# Altium PCB LED_BUFFER_v1.EDIT.PcbDoc (part 2 of 2)
Units mm, origin at the board's own origin, x right, y up, seen from the top; angles counter-clockwise.
Board outline 280 x 45 mm, 2 copper layers (Top Layer, Bottom Layer); 70 components, 165 nets, 480 pads, 245 vias.
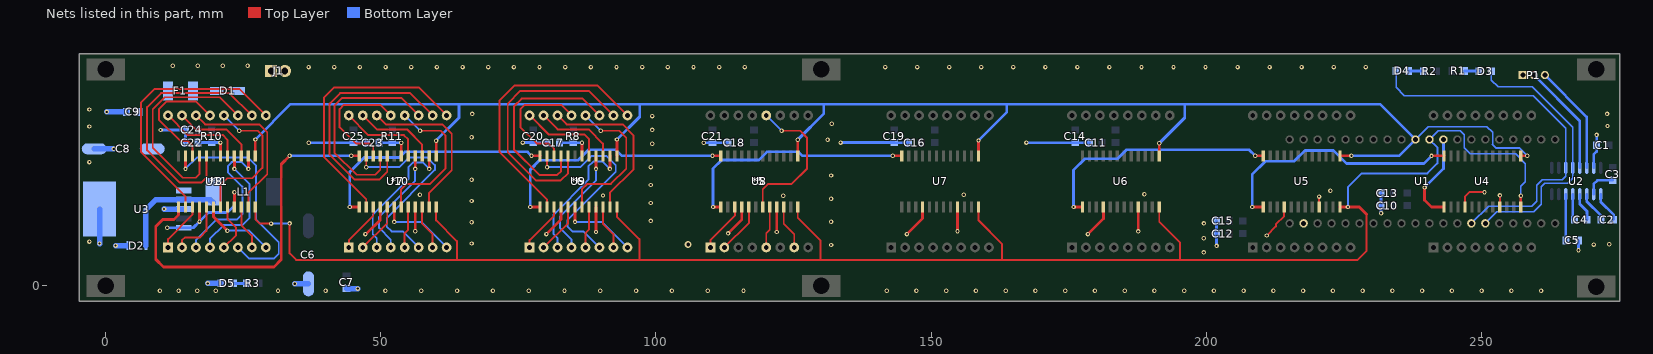
[diagram p2: the nets of this part, all layers, seen from the top]

## Via types
v1: diameter 0.8, hole 0.4, Top Layer to Bottom Layer, tented both sides, 244 vias
v2: diameter 1.27, hole 0.711, Top Layer to Bottom Layer, tented both sides, 1 vias

## Nets (pads, with @x,y where several pads share a name; then routed paths per layer and width w, separated by ;. In a path a pad name is that pad's centre, name@x,y a point inside that pad or via, vN(x,y) a via of type N, cw(c..) or ccw(c..) an arc to the next point about the centre after c; other vN are vias at no path point) (continued)
5_ROW4: *5.12 U8.7 | length 27.5
  Top Layer w0.35: U8.7@119.416,14.335 119.416,17.524 120.418,18.526 124.659,18.526 127.453,21.32 127.453,26.94 126.199,28.194 v1(122.842,28.194)
  Bottom Layer w0.35: *5.12@120.051,30.985 v1(122.842,28.194)
5_ROW5: *5.1 U8.3 | length 9.2
  Top Layer w0.35: *5.1@109.891,6.985 109.891,8.33 114.336,12.775 U8.3@114.336,14.335
5_ROW6: *5.7 U8.10 | length 8.1
  Top Layer w0.35: U8.10@123.226,14.335 123.226,11.323 125.131,9.418 *5.7@125.131,6.985
5_ROW7: *5.2 U8.5 | length 9.2
  Top Layer w0.35: *5.2@112.431,6.985 116.876,11.43 U8.5@116.876,14.335
5_ROW8: *5.5 U8.8 | length 7.6
  Top Layer w0.35: *5.5@120.051,6.985 120.051,9.6 120.686,10.235 U8.8@120.686,14.335
6_COL1: *6.13 U9.22 | length 22.7
  Top Layer w0.35: U9.22@81.479,23.635 81.479,24.888 80.462,25.905 78.303,25.905 75.382,28.826 75.382,32.128 76.144,32.89 82.749,32.89 *6.13@84.654,30.985
6_COL2: *6.3 U9.14 | length 24.8
  Top Layer w0.508: v1(91.639,21.259) U9.14@91.639,23.635
  Bottom Layer w0.35: *6.3@82.114,6.985 82.114,8.656 81.389,9.382 81.389,12.938 87.739,19.288 87.739,21.701 88.628,22.59 90.308,22.59 v1(91.639,21.259)
6_COL3: *6.4 U9.16 | length 20.2
  Top Layer w0.508: v1(89.099,21.259) U9.16@89.099,23.635
  Bottom Layer w0.35: *6.4@84.654,6.985 84.654,8.402 82.532,10.525 82.532,12.557 89.099,19.125 v1(89.099,21.259)
6_COL4: *6.10 U9.20 | length 47.7
  Top Layer w0.35: U9.20@84.019,23.635 84.019,20.485 82.695,19.161 78.156,19.161 73.06,24.257 73.06,33.147 75.343,35.43 87.829,35.43 *6.10@92.274,30.985
6_COL5: *6.6 U9.23 | length 38.3
  Top Layer w0.35: v1(80.209,21.574) U9.23@80.209,23.635
  Bottom Layer w0.35: v1(80.209,21.574) 86.247,21.574 88.279,23.606 91.041,23.606 92.692,21.955 92.692,20.749 83.929,11.986 83.929,10.779 84.818,9.89 86.829,9.89 *6.6@89.734,6.985
6_COL6: *6.11 U9.21 | length 38.7
  Top Layer w0.35: U9.21@82.749,23.635 82.749,20.866 82.06,20.177 78.791,20.177 74.203,24.765 74.203,32.636 75.603,34.036 86.683,34.036 *6.11@89.734,30.985
6_COL7: *6.15 U9.15 | length 15.1
  Top Layer w0.35: *6.15@79.574,30.985 82.123,28.436 87.775,28.436 90.369,25.842 U9.15@90.369,23.635
6_COL8: *6.16 U9.17 | length 15.7
  Top Layer w0.35: *6.16@77.034,30.985 80.472,27.547 87.013,27.547 87.829,26.731 U9.17@87.829,23.635
6_DOUT: U9.24 U10.1 | length 44.5
  Top Layer w0.508: v1(44.341,14.335) U10.1@46.083,14.335 ; v1(77.39,23.635) U9.24@78.939,23.635
  Bottom Layer w0.508: v1(44.341,14.335) 44.341,20.701 46.992,23.352 53.354,23.352 54.37,24.368 76.657,24.368 v1(77.39,23.635)
6_ISET: C17.2 R8.2 U9.18 | length 6.4
  Top Layer w0.508: U9.18@86.559,23.635 v1(86.559,26.016)
  Bottom Layer w0.508: C17.2@82.502,26.023 R8.2@84.959,26.023 86.552,26.023 v1(86.559,26.016)
6_ROW1: *6.9 U9.2 | length 49.6
  Top Layer w0.35: U9.2@80.209,14.335 80.209,15.685 71.536,24.359 71.536,33.655 74.33,36.449 89.35,36.449 *6.9@94.814,30.985
6_ROW2: *6.14 U9.11 | length 30.1
  Top Layer w0.35: *6.14@82.114,30.985 83.765,29.334 93.944,29.334 95.903,27.375 95.903,21.153 91.639,16.889 U9.11@91.639,14.335
6_ROW3: *6.8 U9.6 | length 14.2
  Top Layer w0.508: v1(85.289,11.632) U9.6@85.289,14.335
  Bottom Layer w0.35: v1(85.289,11.632) 90.168,11.632 *6.8@94.814,6.985
6_ROW4: *6.12 U9.7 | length 27.5
  Top Layer w0.35: U9.7@86.559,14.335 86.559,17.524 87.561,18.526 91.803,18.526 94.597,21.32 94.597,26.903 93.306,28.194 v1(89.985,28.194)
  Bottom Layer w0.35: *6.12@87.194,30.985 v1(89.985,28.194)
6_ROW5: *6.1 U9.3 | length 9.2
  Top Layer w0.35: *6.1@77.034,6.985 77.034,8.33 81.479,12.775 U9.3@81.479,14.335
6_ROW6: *6.7 U9.10 | length 8.1
  Top Layer w0.35: U9.10@90.369,14.335 90.369,11.323 92.274,9.418 *6.7@92.274,6.985
6_ROW7: *6.2 U9.5 | length 9.2
  Top Layer w0.35: *6.2@79.574,6.985 84.019,11.43 U9.5@84.019,14.335
6_ROW8: *6.5 U9.8 | length 7.6
  Top Layer w0.35: *6.5@87.194,6.985 87.194,9.6 87.829,10.235 U9.8@87.829,14.335
7_COL1: *7.13 U10.22 | length 22.9
  Top Layer w0.35: U10.22@48.623,23.635 48.623,25.293 48.011,25.905 45.447,25.905 42.526,28.826 42.526,32.128 43.288,32.89 49.893,32.89 *7.13@51.798,30.985
7_COL2: *7.3 U10.14 | length 24.6
  Top Layer w0.508: v1(58.783,21.259) U10.14@58.783,23.635
  Bottom Layer w0.35: *7.3@49.258,6.985 49.258,8.656 48.532,9.382 48.532,12.938 55.009,19.415 55.009,21.574 55.898,22.463 57.578,22.463 v1(58.783,21.259)
7_COL3: *7.4 U10.16 | length 20.2
  Top Layer w0.508: v1(56.243,21.259) U10.16@56.243,23.635
  Bottom Layer w0.35: *7.4@51.798,6.985 51.798,8.402 49.675,10.525 49.675,12.557 56.243,19.125 v1(56.243,21.259)
7_COL4: *7.10 U10.20 | length 46.4
  Top Layer w0.35: U10.20@51.163,23.635 51.163,20.746 49.733,19.316 45.218,19.316 40.675,23.859 40.675,33.147 42.58,35.052 55.351,35.052 *7.10@59.418,30.985
7_COL5: *7.6 U10.23 | length 38
  Top Layer w0.35: v1(47.353,21.574) U10.23@47.353,23.635
  Bottom Layer w0.35: v1(47.353,21.574) 53.354,21.574 55.132,23.352 58.438,23.352 59.835,21.955 59.835,21.066 51.072,12.303 51.072,10.779 51.961,9.89 53.973,9.89 *7.6@56.878,6.985
7_COL6: *7.11 U10.21 | length 38.6
  Top Layer w0.35: U10.21@49.893,23.635 49.893,21.127 48.971,20.205 45.583,20.205 41.564,24.224 41.564,32.766 42.961,34.163 53.7,34.163 *7.11@56.878,30.985
7_COL7: *7.15 U10.15 | length 15
  Top Layer w0.35: *7.15@46.718,30.985 49.271,28.432 54.755,28.432 57.513,25.674 U10.15@57.513,23.635
7_COL8: *7.16 U10.17 | length 15.6
  Top Layer w0.35: *7.16@44.178,30.985 47.747,27.416 54.198,27.416 54.973,26.641 U10.17@54.973,23.635
7_ISET: C23.2 R11.2 U10.18 | length 6.5
  Top Layer w0.508: U10.18@53.703,23.635 v1(53.703,26.016)
  Bottom Layer w0.508: C23.2@49.629,26.016 49.636,26.023 51.961,26.023 51.968,26.016 v1(53.703,26.016)
7_ROW1: *7.9 U10.2 | length 48.2
  Top Layer w0.35: U10.2@47.353,14.335 47.353,15.785 39.659,23.479 39.659,34.163 41.564,36.068 56.875,36.068 *7.9@61.958,30.985
7_ROW2: *7.14 U10.11 | length 30
  Top Layer w0.35: *7.14@49.258,30.985 50.909,29.334 61.178,29.334 62.883,27.629 62.883,20.989 58.783,16.889 U10.11@58.783,14.335
7_ROW3: *7.8 U10.6 | length 14.2
  Top Layer w0.508: v1(52.433,11.632) U10.6@52.433,14.335
  Bottom Layer w0.35: v1(52.433,11.632) 57.311,11.632 *7.8@61.958,6.985
7_ROW4: *7.12 U10.7 | length 27.7
  Top Layer w0.35: U10.7@53.703,14.335 53.703,17.524 54.705,18.526 58.946,18.526 61.74,21.32 61.74,27.347 60.893,28.194 v1(57.129,28.194)
  Bottom Layer w0.35: *7.12@54.338,30.985 v1(57.129,28.194)
7_ROW5: *7.1 U10.3 | length 9.2
  Top Layer w0.35: *7.1@44.178,6.985 44.178,8.33 48.623,12.775 U10.3@48.623,14.335
7_ROW6: *7.7 U10.10 | length 8.1
  Top Layer w0.35: U10.10@57.513,14.335 57.513,11.323 59.418,9.418 *7.7@59.418,6.985
7_ROW7: *7.2 U10.5 | length 9.2
  Top Layer w0.35: *7.2@46.718,6.985 51.163,11.43 U10.5@51.163,14.335
7_ROW8: *7.5 U10.8 | length 7.6
  Top Layer w0.35: *7.5@54.338,6.985 54.338,9.6 54.973,10.235 U10.8@54.973,14.335
8_COL1: *8.13 U11.22 | length 22.7
  Top Layer w0.35: U11.22@15.766,23.635 15.766,25.538 15.002,26.302 13.606,26.302 9.669,30.239 9.669,32.128 11.069,33.528 16.398,33.528 *8.13@18.941,30.985
8_COL2: *8.3 U11.14 | length 28.5
  Top Layer w0.508: v1(25.926,21.259) U11.14@25.926,23.635
  Bottom Layer w0.35: *8.3@16.401,6.985 16.401,8.336 20.142,12.077 23.893,12.077 24.841,13.025 24.841,18.046 22.205,20.682 22.205,21.789 22.895,22.479 24.706,22.479 v1(25.926,21.259)
8_COL3: *8.4 U11.16 | length 22.8
  Top Layer w0.508: v1(23.386,21.259) U11.16@23.386,23.635
  Bottom Layer w0.35: *8.4@18.941,6.985 18.941,8.59 21.412,11.061 24.841,11.061 26.111,12.331 26.111,18.534 v1(23.386,21.259)
8_COL4: *8.10 U11.20 | length 47.2
  Top Layer w0.35: U11.20@18.306,23.635 18.306,19.668 17.434,18.796 13.37,18.796 7.528,24.638 7.528,32.512 10.068,35.052 22.494,35.052 *8.10@26.561,30.985
8_COL5: *8.6 U11.23 | length 43
  Top Layer w0.508: v1(14.496,21.259) U11.23@14.496,23.635
  Bottom Layer w0.35: v1(14.496,21.259) 16.605,23.368 25.816,23.368 27.34,21.844 27.34,11.999 31.445,7.894 31.445,5.854 30.556,4.965 26.041,4.965 *8.6@24.021,6.985
8_COL6: *8.11 U11.21 | length 39.1
  Top Layer w0.35: U11.21@17.036,23.635 17.036,20.303 16.393,19.66 14.013,19.66 8.544,25.129 8.544,32.131 10.703,34.29 20.716,34.29 *8.11@24.021,30.985
8_COL7: *8.15 U11.15 | length 15.1
  Top Layer w0.35: *8.15@13.861,30.985 16.385,28.461 21.919,28.461 24.656,25.724 U11.15@24.656,23.635
8_COL8: *8.16 U11.17 | length 15.5
  Top Layer w0.35: *8.16@11.321,30.985 14.861,27.445 21.226,27.445 22.116,26.555 U11.17@22.116,23.635
8_ISET: C22.2 R10.2 U11.18 | length 6.5
  Top Layer w0.508: U11.18@20.846,23.635 v1(20.846,26.047)
  Bottom Layer w0.508: C22.2@16.796,26.047 16.803,26.054 R10.2@19.246,26.054 19.253,26.047 v1(20.846,26.047)
8_ROW1: *8.9 U11.2 | length 48.1
  Top Layer w0.35: U11.2@14.496,14.335 14.496,16.273 6.385,24.384 6.385,33.274 8.925,35.814 24.272,35.814 *8.9@29.101,30.985
8_ROW2: *8.14 U11.11 | length 29.2
  Top Layer w0.35: *8.14@16.401,30.985 18.052,29.334 27.904,29.334 29.354,27.884 29.354,20.317 25.926,16.889 U11.11@25.926,14.335
8_ROW3: *8.8 U11.6 | length 13.6
  Top Layer w0.508: U11.6@19.576,14.335 19.576,12.573 v1(22.116,10.033)
  Bottom Layer w0.35: v1(22.116,10.033) 26.053,10.033 *8.8@29.101,6.985
8_ROW4: *8.12 U11.7 | length 27.4
  Top Layer w0.35: U11.7@20.846,14.335 20.846,18.369 22.047,19.57 26.59,19.57 28.483,21.463 28.483,27.358 27.647,28.194 v1(24.272,28.194)
  Bottom Layer w0.35: *8.12@21.481,30.985 v1(24.272,28.194)
8_ROW5: *8.1 U11.3 | length 9.2
  Top Layer w0.35: *8.1@11.321,6.985 11.321,8.51 15.766,12.955 U11.3@15.766,14.335
8_ROW6: *8.7 U11.10 | length 8.1
  Top Layer w0.35: U11.10@24.656,14.335 24.656,11.045 26.561,9.14 *8.7@26.561,6.985
8_ROW7: *8.2 U11.5 | length 10.8
  Top Layer w0.35: *8.2@13.861,6.985 13.861,8.255 14.427,8.821 17.14,8.821 18.306,9.987 U11.5@18.306,14.335
8_ROW8: *8.5 U11.8 | length 8.9
  Top Layer w0.35: *8.5@21.481,6.985 23.64,9.144 23.64,10.652 22.116,12.176 U11.8@22.116,14.335
24V: C8.1 C9.1 F1.1 U3.1
CLK: U1.10 U4.13 U5.13 U6.13 U7.13 U8.13 U9.13 U10.13 U11.13 | length 316.4
  Top Layer w0.5: U11.13@27.196,23.635 v1(27.196,26.613) ; U10.13@60.053,23.635 v1(60.053,26.395) ; U9.13@92.909,23.635 v1(92.909,26.605) ; U8.13@125.766,23.635 v1(125.766,26.559) ; U7.13@158.622,23.635 v1(158.622,26.428) ; U6.13@191.479,23.635 v1@191.479,25.772 ; U5.13@224.335,23.635 v1(226.39,23.635) ; U4.13@257.192,23.635 v1(258.352,23.635)
  Bottom Layer w0.254: U1.10@238.033,26.605 240.396,28.968 251.028,28.968 252.044,27.952 252.044,25.666
  Bottom Layer w0.35: 252.044,25.666 252.679,25.031 256.956,25.031 v1(258.352,23.635)
  Bottom Layer w0.5: v1(27.196,26.613) 33.615,33.032 64.211,33.032 ; v1(60.053,26.395) 64.211,30.554 64.211,33.032 ; v1(92.909,26.605) 97.05,30.746 97.05,33.032 ; v1(125.766,26.559) 130.52,31.313 130.52,33.032 ; v1(158.622,26.428) 163.779,31.585 163.779,33.032 ; v1(191.465,25.92) 196.101,30.556 196.101,33.032 ; v1(226.39,23.635) 235.063,23.635 U1.10@238.033,26.605 231.606,33.032 196.101,33.032 ; 64.211,33.032 97.05,33.032 ; 97.05,33.032 130.52,33.032 ; 130.52,33.032 163.779,33.032 ; 163.779,33.032 196.101,33.032
CS: U1.11 U4.12 U5.12 U6.12 U7.12 U8.12 U9.12 U10.12 U11.12 | length 336.3
  Top Layer w0.35: U11.12@27.196,14.335 27.196,12.147 28.028,11.315 v1(30.048,11.315) ; v1(33.419,11.365) 33.419,5.912 34.62,4.711 63.83,4.711 ; U10.12@60.053,14.335 60.053,11.917 63.83,8.14 63.83,4.711 ; U9.12@92.909,14.335 92.909,12.589 96.977,8.521 96.977,4.711 ; U8.12@125.766,14.335 125.766,12.371 129.87,8.267 129.87,4.711 ; U7.12@158.622,14.335 158.622,11.9 162.89,7.632 162.89,4.711 ; U6.12@191.479,14.335 191.479,11.67 195.275,7.874 195.275,4.711 ; 229.126,13.024 229.126,6.304 227.533,4.711 195.275,4.711 ; 63.83,4.711 96.977,4.711 ; 96.977,4.711 129.87,4.711 ; 129.87,4.711 162.89,4.711 ; 162.89,4.711 195.275,4.711
  Top Layer w0.5: U5.12@224.335,14.335 v1(225.755,14.335) 227.815,14.335 229.126,13.024
  Top Layer w0.508: U4.12@257.192,14.335 v1(257.192,16.395)
  Bottom Layer w0.254: U1.11@240.573,26.605 242.162,28.194 246.214,28.194 246.906,27.502 246.906,25.122 248.013,24.015 256.235,24.015 258.013,22.237 258.013,18.935 257.192,18.114 v1(257.192,16.395)
  Bottom Layer w0.35: v1(30.048,11.315) 33.369,11.315 v1(33.419,11.365) ; v1(225.755,14.335) 225.755,17.919 228.295,20.459 240.198,20.459 242.011,22.273 242.011,25.167 U1.11@240.573,26.605
DATA: U1.12 U4.1 | length 16.5
  Top Layer w0.5: v1(239.702,17.891) 239.702,15.587 240.954,14.335 U4.1@243.222,14.335
  Bottom Layer w0.5: v1(239.702,17.891) 243.113,21.302 U1.12@243.113,26.605
GND: C1.1 C5.1 C6.2 C7.2 C8.2 C9.2 C10.1 C11.1 C12.1 C13.2 C14.2 C15.2 C16.1 C17.1 C18.1 C19.2 C20.2 C21.2 C22.1 C23.1 C24.2 C25.2 D2.1 D5.2 J1.1 P1.1 U1.22 U2.15 U3.3 U3.5 U4.4 U4.9 U5.4 U5.9 U6.4 U6.9 U7.4 U7.9 U8.4 U8.9 U9.4 U9.9 U10.4 U10.9 U11.4 U11.9 | length 182.9
  Top Layer w0.35: v1(211,9.156) 212.674,10.83 212.674,11.188 214.175,12.689 U5.4@214.175,14.335 ; U5.9@220.525,14.335 v1(220.525,16.223) ; U4.4@247.032,14.335 247.032,16.209 247.853,17.03 v1(250.585,17.03) ; U4.9@253.382,14.335 v1(253.382,16.454)
  Top Layer w0.5: v1(47.193,9.41) 47.32,9.41 49.893,11.983 U10.4@49.893,14.335 ; v1(56.243,9.918) U10.9@56.243,14.335 ; v1(80.086,9.41) 82.749,12.073 U9.4@82.749,14.335 ; U9.9@89.099,14.335 89.099,9.795 v1(89.103,9.791) ; v1(113.106,9.537) 115.606,12.037 U8.4@115.606,14.335 ; v1(121.956,9.791) U8.9@121.956,14.335 ; v1(145.618,9.41) 148.462,12.254 U7.4@148.462,14.335 ; v1(154.812,9.918) U7.9@154.812,14.335 ; v1(178.511,9.41) 181.319,12.218 U6.4@181.319,14.335 ; v1(187.669,9.904) U6.9@187.669,14.335
  Top Layer w0.508: v1@16.915,11.569 v1(17.036,11.69) U11.4@17.036,14.335 ; U11.9@23.386,14.335 v1(23.386,17.03)
  Bottom Layer w0.5: v1(9.982,28.333) 9.989,28.34 C24.2@14.503,28.34 14.51,28.333 C22.1@14.51,26.047 ; v1(75.783,26.047) C20.2@77.673,26.047 77.697,26.023 C17.1@80.216,26.023 ; v1(108.677,26.032) C21.2@110.283,26.032 110.292,26.023 C18.1@113.073,26.023 ; v1(133.553,26.047) C19.2@143.332,26.047 143.356,26.023 C16.1@145.929,26.023 ; v1(167.335,26.047) 167.35,26.032 C14.2@176.225,26.032 176.234,26.023 C11.1@178.786,26.023 ; v1(201.9,7.272) C12.1@201.9,9.509 C15.2@201.9,11.795 ; v1(231.784,13.22) C10.1@231.784,14.589 C13.2@231.784,16.875 ; v1(267.665,6.489) C5.1@267.665,8.267 ; U2.15@270.427,21.463 270.427,23.856 270.967,24.396 C1.1@270.967,25.539 v1(270.967,27.444)
  Bottom Layer w0.508: v1(11.167,10.567) U3.5@14.188,10.567 15.913,10.567 v1(17.036,11.69) 18.693,13.347 22.133,13.347 23.386,14.6 v1(23.386,17.03) ; v1(36.915,26.032) C25.2@45.034,26.032 45.05,26.016 C23.1@47.385,26.016 C23.1@47.36,26.041
  Bottom Layer w1: C8.2@-2.083,24.904 v1(1.473,24.904) ; v1(-1.126,7.7) U3.3@-1.126,13.967 ; v1(0.203,31.62) C9.2@3.759,31.62 ; v1(1.79,7.315) D2.1@4.013,7.315 ; v1(10.617,13.982) 10.632,13.967 U3.3@14.188,13.967 ; v1(18.553,0.455) D5.2@20.914,0.455 ; v1(34.366,0.393) 34.378,0.381 C6.2@36.847,0.381 ; C7.2@43.764,-0.496 v1(45.796,-0.496)
  other v1: 9.855,-0.877 13.242,-0.877 16.628,-0.877 20.015,-0.877 31.318,-0.877 39.954,-0.877 50.839,-0.877 57.346,-0.877 63.852,-0.877 70.359,-0.877 76.866,-0.877 83.373,-0.877 89.88,-0.877 96.387,-0.877 102.894,-0.877 109.401,-0.877 115.907,-0.877 141.935,-0.877 147.341,-0.877 152.748,-0.877 158.154,-0.877 163.56,-0.877 168.967,-0.877 174.373,-0.877 179.78,-0.877 185.186,-0.877 190.592,-0.877 195.999,-0.877 201.405,-0.877 206.811,-0.877 212.218,-0.877 217.624,-0.877 223.03,-0.877 228.437,-0.877 233.843,-0.877 239.249,-0.877 244.656,-0.877 250.062,-0.877 255.468,-0.877 260.875,-0.877 199.565,6.096 131.826,7.43 270.427,7.505 273.253,7.569 66.497,7.7 -2.972,8.049 199.565,8.674 199.593,11.365 66.497,11.562 131.826,11.642 99.06,11.811 99.06,15.072 66.497,15.425 131.826,15.854 123.139,16.395 90.373,16.432 57.099,16.576 155.945,16.576 188.783,16.649 222.571,17.284 99.06,18.333 66.497,19.287 131.826,20.066 99.06,21.594 -2.972,22.491 99.314,25.849 131.191,26.559 66.497,27.012 99.314,28.355 -2.972,28.968 272.937,29.059 131.953,29.464 99.314,30.861 66.624,31.254 272.872,31.254 -2.972,32.067 36.871,39.763 41.534,39.763 46.198,39.763 50.862,39.763 55.526,39.763 60.189,39.763 64.853,39.763 69.517,39.763 74.18,39.763 78.844,39.763 83.508,39.763 88.172,39.763 92.835,39.763 97.499,39.763 102.163,39.763 106.827,39.763 111.49,39.763 116.154,39.763 141.665,39.763 147.487,39.763 153.309,39.763 159.131,39.763 164.953,39.763 170.775,39.763 176.597,39.763 182.419,39.763 188.241,39.763 194.063,39.763 199.885,39.763 205.707,39.763 211.529,39.763 217.351,39.763 223.173,39.763 228.995,39.763 12.192,40.005 16.722,40.005 21.251,40.005 25.781,40.005
  other v2: 105.867,7.505
NetC2_1: C2.1 U2.3 | length 5.7
  Bottom Layer w0.508: U2.3@269.157,16.663 269.157,15.379 271.729,12.807 C2.1@271.729,12.049
NetC2_2: C2.2 U2.1 | length 5.6
  Bottom Layer w0.508: U2.1@271.697,16.663 271.697,15.284 274.015,12.966 C2.2@274.015,12.049
NetC3_2: C3.2 U2.2 | length 5.6
  Bottom Layer w0.5: U2.2@270.427,16.663 270.427,18.522 271.094,19.189 C3.2@273.888,19.189
NetC4_1: C4.1 U2.4 | length 5.2
  Bottom Layer w0.508: U2.4@267.887,16.663 267.887,14.871 269.189,13.569 C4.1@269.189,12.049
NetC4_2: C4.2 U2.5 | length 4.7
  Bottom Layer w0.5: U2.5@266.617,16.663 266.617,12.335 C4.2@266.903,12.049
NetC5_2: C5.2 U2.6 | length 8.4
  Bottom Layer w0.5: U2.6@265.347,16.663 265.347,8.299 C5.2@265.379,8.267
NetD1_1: D1.1 J1.2
NetD1_2: D1.2 F1.2
NetD2_2: D2.2 L1.1 U3.2 | length 19.8
  Bottom Layer w1: D2.2@7.315,7.315 7.315,13.855 9.127,15.667 U3.2@14.188,15.667 18.989,15.667 19.497,15.159 L1.1@19.575,15.237
NetD3_1: D3.1 R1.1 | length 2.6
  Bottom Layer w0.508: R1.1@246.948,39.056 249.541,39.056 D3.1@249.566,39.031
NetD4_1: D4.1 R2.1 | length 2.8
  Bottom Layer w0.254: R2.1@239.506,39.056 R2.1@239.532,39.031
  Bottom Layer w0.5: D4.1@236.787,39.056 R2.1@239.506,39.056
NetD5_1: D5.1 R3.1 | length 2.4
  Bottom Layer w0.5: D5.1@23.2,0.455 R3.1@25.603,0.455
NetU4_24: U4.24 U5.1 | length 46.1
  Top Layer w0.5: v1(208.365,14.335) U5.1@210.365,14.335 ; v1(240.954,23.634) U4.24@243.222,23.635 U4.24@243.222,23.635
  Bottom Layer w0.5: v1(208.365,14.335) 208.365,20.244 210.775,22.654 215.982,22.654 217.95,24.622 223.116,24.622 225.501,22.237 239.557,22.237 v1(240.954,23.634)
NetU5_24: U5.24 U6.1 | length 44.8
  Top Layer w0.508: v1(175.913,14.335) U6.1@177.509,14.335 ; v1(208.933,23.635) U5.24@210.365,23.635
  Bottom Layer w0.508: v1(175.913,14.335) 175.913,21.066 177.949,23.102 183.866,23.102 185.517,24.753 207.815,24.753 v1(208.933,23.635)
NetU7_24: U7.24 U8.1 | length 44.2
  Top Layer w0.508: v1(110.381,14.335) U8.1@111.796,14.335 ; v1(143.02,23.635) U7.24@144.652,23.635
  Bottom Layer w0.508: v1(110.381,14.335) 110.381,21.32 111.959,22.898 118.714,22.898 120.18,24.365 125.933,24.365 126.663,23.635 v1(143.02,23.635)
NetU8_24: U8.24 U9.1 | length 45.2
  Top Layer w0.508: v1(77.145,14.335) U9.1@78.939,14.335 ; v1(110.283,23.635) U8.24@111.796,23.635
  Bottom Layer w0.508: v1(77.145,14.335) 77.145,21.104 78.889,22.848 85.87,22.848 87.775,24.753 92.683,24.753 93.801,23.635 v1(110.283,23.635)
NetU10_24: U10.24 U11.1 | length 68.5
  Top Layer w0.508: U11.1@13.226,14.335 13.226,12.908 12.395,12.077 10.363,12.077 9.093,10.807 9.093,4.838 10.49,3.441 30.556,3.441 31.895,4.78 31.895,22.111 v1(33.419,23.635) ; v1(44.624,23.635) U10.24@46.083,23.635
  Bottom Layer w0.508: v1(33.419,23.635) v1(44.624,23.635)
RS232_RXD: P1.2 U2.13 | length 20.3
  Bottom Layer w0.508: P1.2@259.556,38.319 267.887,29.988 U2.13@267.887,21.463
RS232_TXD: P1.3 U2.14 | length 20
  Bottom Layer w0.508: P1.3@261.556,38.319 269.157,30.718 U2.14@269.157,21.463
TTL_RXD: D3.2 U1.35 U2.12 | length 50.4
  Bottom Layer w0.254: U1.35@250.733,11.365 252.842,13.474 259.537,13.474 260.934,14.871 260.934,18.046 261.569,18.681 265.76,18.681 266.617,19.538 U2.12@266.617,21.463 266.617,28.873 259.283,36.207 253.06,36.207 251.852,37.415 D3.2@251.852,39.031
TTL_TXD: D4.2 U1.34 U2.11 | length 68
  Bottom Layer w0.254: D4.2@234.501,39.056 234.501,36.097 236.042,34.556 259.41,34.556 265.347,28.619 U2.11@265.347,21.463 265.347,19.919 264.744,19.316 261.061,19.316 260.045,18.3 260.045,15.379 259.156,14.49 251.318,14.49 U1.34@248.193,11.365
pads on no net: H1.H H2.H H3.H H4.H H5.H H6.H U1.1 U1.2 U1.3 U1.4 U1.5 U1.6 U1.7 U1.8 U1.9 U1.13 U1.14 U1.15 U1.16 U1.17 U1.18 U1.19 U1.20 U1.21 U1.24 U1.25 U1.26 U1.27 U1.28 U1.29 U1.30 U1.31 U1.32 U1.33 U1.36 U1.37 U1.38 U1.39 U1.40 U2.7 U2.8 U2.9 U2.10 U11.24

## Polygon pours and split planes (outlines as drawn)
1_V+ on Top Layer "Bottom Layer-No Net" (solid, pour order 18): 228.473,17.284 235.608,17.284 236.855,16.037 236.855,9.128 235.895,8.168 235.215,8.168 234.061,9.322 234.061,13.588 232.409,15.24 228.277,15.24 227.965,15.552 227.965,16.776
GND on Top Layer "Bottom Layer-No Net" (solid, pour order 20): 140.157,-2.655 263.22,-2.655 263.22,2.679 264.998,4.457 274.777,4.457 274.777,32.397 265.252,32.397 262.839,34.81 262.839,42.164 140.157,42.164 138.76,42.164 138.76,36.144 137.426,34.81 121.908,34.81 120.338,36.38 120.338,41.795 7.315,41.795 7.315,37.35 4.521,34.556 -3.988,34.556 -3.988,5.727 5.029,5.727 7.696,3.06 7.696,-2.782 118.44,-2.782 ccw(c118.134,-2.476) 118.567,-2.476 118.567,4.33 120.924,6.687 138.379,6.687 140.157,4.909
GND on Bottom Layer "Bottom Layer-No Net" (solid, pour order 16): 140.157,-2.655 263.22,-2.655 263.22,2.679 264.998,4.457 274.777,4.457 274.777,32.397 265.252,32.397 262.839,34.81 262.839,42.164 140.157,42.164 138.76,42.164 138.76,36.144 137.426,34.81 121.908,34.81 120.338,36.38 120.338,41.795 7.315,41.795 7.315,37.35 4.521,34.556 -3.988,34.556 -3.988,5.727 5.029,5.727 7.696,3.06 7.696,-2.782 118.44,-2.782 ccw(c118.134,-2.476) 118.567,-2.476 118.567,4.33 120.924,6.687 138.379,6.687 140.157,4.909

## Keep-outs
Keep-Out Layer:
  the board outline again, w0.127

## Other copper
Top Layer:
  region net 1_V+: 235.585,4.191 234.709,3.315 236.45,3.315
Bottom Layer:
  region net NetD1_1: 33.425,40.196 34.441,39.18 34.441,36.259 32.599,34.417 23.106,34.417 22.776,34.747 22.776,36.442 23.1,36.766 30.758,36.767 31.52,37.529 31.52,39.561 32.155,40.196
  region net 1_V+: 69.569,4.965 68.148,3.544 70.99,3.544
  region net 1_V+: 103.2,5.37 101.779,3.949 104.621,3.949
  region net 1_V+: 168.986,4.989 167.565,3.568 170.407,3.568
  region net 1_V+: 197.434,5.243 196.013,3.822 198.855,3.822
  region net 1_V+: 229.184,5.116 227.763,3.695 230.605,3.695
  region net 1_V+: 38.835,10.922 37.414,12.343 37.414,9.501
  region net 1_V+: 27.877,2.286 28.917,3.326 26.837,3.326
  region net 1_V+: 70.522,10.133 69.585,11.07 69.585,9.196
  region net 1_V+: 104.137,10.807 103.2,11.744 103.2,9.87
  region net 1_V+: 137.665,11.823 136.728,12.76 136.728,10.886
  region net 1_V+: 169.908,11.569 168.971,12.506 168.971,10.632
  pour cut-out: 11.321,19.192 11.994,18.518 15.7,18.518 16.401,17.817 16.401,15.503 15.7,14.802 9.954,14.802 9.047,15.709 9.047,16.917
  pour cut-out: 22.979,20.682 23.963,20.682 26.111,18.534 26.111,12.331 24.968,11.188 23.633,11.188 23.633,11.817 24.841,13.025 24.841,18.046 22.861,20.026 22.861,20.564
  pour cut-out: 23.617,22.11 26.309,22.11 27.254,21.165 27.254,11.776 31.445,7.585 31.445,5.854 30.556,4.965 26.619,4.965 24.714,6.87 16.516,6.87 16.401,6.985 16.586,7.17 16.586,8.521 19.888,11.823 25.143,11.823 26.091,12.771 26.091,18.554 25.675,18.554 23.617,20.612
  pour cut-out: 56.707,22.334 57.17,22.334 58.623,20.88 58.623,20.226 56.643,18.246 55.702,18.246 55.575,18.373 55.575,21.12 56.707,22.252
  pour cut-out: 49.297,10.525 49.932,9.89 53.973,9.89 55.321,8.542 55.321,6.974 55.067,6.72 54.917,6.87 50.114,6.87 50.114,7.157 49.258,8.013 49.258,8.837 48.633,9.462 48.633,10.172 48.887,10.426 49.297,10.426
  pour cut-out: 88.976,22.123 90.775,22.123 92.02,20.878 92.02,20.078 83.929,11.986 83.929,10.779 84.818,9.89 87.005,9.89 88.087,8.808 88.087,7.61 87.819,7.61 87.194,6.985 82.626,6.985 81.991,7.62 81.991,9.035 81.389,9.637 81.389,12.938 87.739,19.288 87.739,20.84 88.976,22.077
  pour cut-out: 123.39,22.364 122.307,22.364 121.956,22.013 121.956,18.948 114.245,11.237 114.245,7.711 115.086,6.87 122.334,6.87 122.334,7.347 119.792,9.89 117.674,9.89 116.785,10.779 116.785,11.442 124.496,19.153 124.496,21.259
  pour cut-out: 120.824,24.396 119.928,24.396 118.43,22.898 113.741,22.898 113.487,22.644 113.487,22.013 113.926,21.574 118.92,21.574 120.824,23.478
  pour cut-out: 155.016,24.777 152.765,24.777 150.987,22.999 146.253,22.999 145.999,22.745 145.999,22.109 146.099,22.109 146.634,21.574 151.547,21.574 153.579,23.606 154.659,23.606 155.066,24.013 155.016,24.064
  pour cut-out: 156.021,22.59 155.524,22.59 154.812,21.878 154.812,19.125 155.698,18.239 157.429,19.969 157.429,21.182
  pour cut-out: 152.542,9.89 148.88,9.89 148.344,10.426 147.102,10.426 147.102,9.382 147.827,8.656 147.827,6.985 155.447,6.985
  pour cut-out: 187.669,21.259 187.669,22.096 188.163,22.59 188.877,22.59 190.447,21.02 190.447,20.078 182.498,12.129 182.498,10.779 183.387,9.89 185.399,9.89 188.304,6.985 183.711,6.985 183.387,6.662 183.224,6.825 183.224,6.985 180.684,6.985 180.684,8.656 179.958,9.382 179.958,12.938 186.308,19.288 186.308,19.898
  pour cut-out: 220.566,17.514 224.118,21.066 224.118,21.955 222.467,23.606 219.292,23.606 217.26,21.574 209.695,21.574 208.365,20.244 208.365,14.335 209.8,14.335 209.847,14.288 209.847,12.747 211.23,11.365 215.968,11.365 216.426,11.823 216.426,16.143 216.715,16.432 216.715,17.11 217.119,17.514
  pour cut-out: 240.229,28.968 234.867,23.606 226.419,23.606 226.39,23.635 226.39,22.237 239.557,22.237 243.408,26.088 243.408,28.968
  pour cut-out: 243.408,28.968 253.494,28.968 254.03,28.432 256.141,28.432 256.743,27.83 256.743,22.08 253.396,18.732 245.606,18.732 241.462,14.589 234.07,14.589 234.07,18.24 233.375,18.935 230.097,18.935 228.549,17.387 228.549,14.49 226.996,12.937 225.679,12.937 225.755,13.014 225.755,17.919 228.295,20.459 240.198,20.459 242.011,22.273 242.011,27.571
  pour cut-out: 246.948,10.442 241.962,10.442 241.818,10.586 239.344,8.112 240.471,6.985 259.097,6.985 255.692,10.39 247.091,10.39
  pour cut-out: 254.203,14.617 251.445,14.617 248.193,11.365 248.193,10.185 248.742,9.636 252.262,9.636 252.361,9.537 254.203,11.379
  region net 24V: 5.334,33.147 5.334,20.955 9.525,16.764 15.446,16.764 15.7,17.018 15.7,17.924 15.209,18.415 12.319,18.415 12.319,18.517 10.795,20.041 10.795,25.654 10.16,26.289 9.017,26.289 8.128,27.178 8.128,31.75 9.398,33.02 11.938,33.02 12.7,33.782 12.7,37.211 12.319,37.592 9.779,37.592
  region net NetD1_2: 21.463,37.592 15.176,37.592 14.605,37.021 14.605,33.782 14.986,33.401 21.463,33.401 21.844,33.782 21.844,37.211

## Silkscreen, mask and mechanical layers (free items; w line width, h text height)
Bottom Overlay:
  text "RX" at 259.156,34.175 h0.76 r270
  text "TX" at 261.188,34.175 h0.76 r270
  text "GND" at 256.743,34.048 h0.76 r270
  text "GND" at 27.127,33.54 h1.14 r180
  text "+24V" at 31.318,33.54 h1.14 r180
  text "RS232" at 261.442,32.778 h0.76

## Text inside footprints (layer, text, board x,y; h text height)
C6: Bottom Overlay "+" at 35.958,12.827 h2.03 r90
C8: Bottom Overlay "+" at 10.363,25.793 h2.03